# Altium PCB AMC_Single_Panel.PcbDoc (part 5 of 5)
Units mm, origin at the board's own origin, x right, y up, seen from the top; angles counter-clockwise.
Board outline 67.1 x 200.1 mm, 4 copper layers (TOP, GND, PWR, BTM), stack 1.618 mm thick; 416 components, 275 nets, 1519 pads, 733 vias.
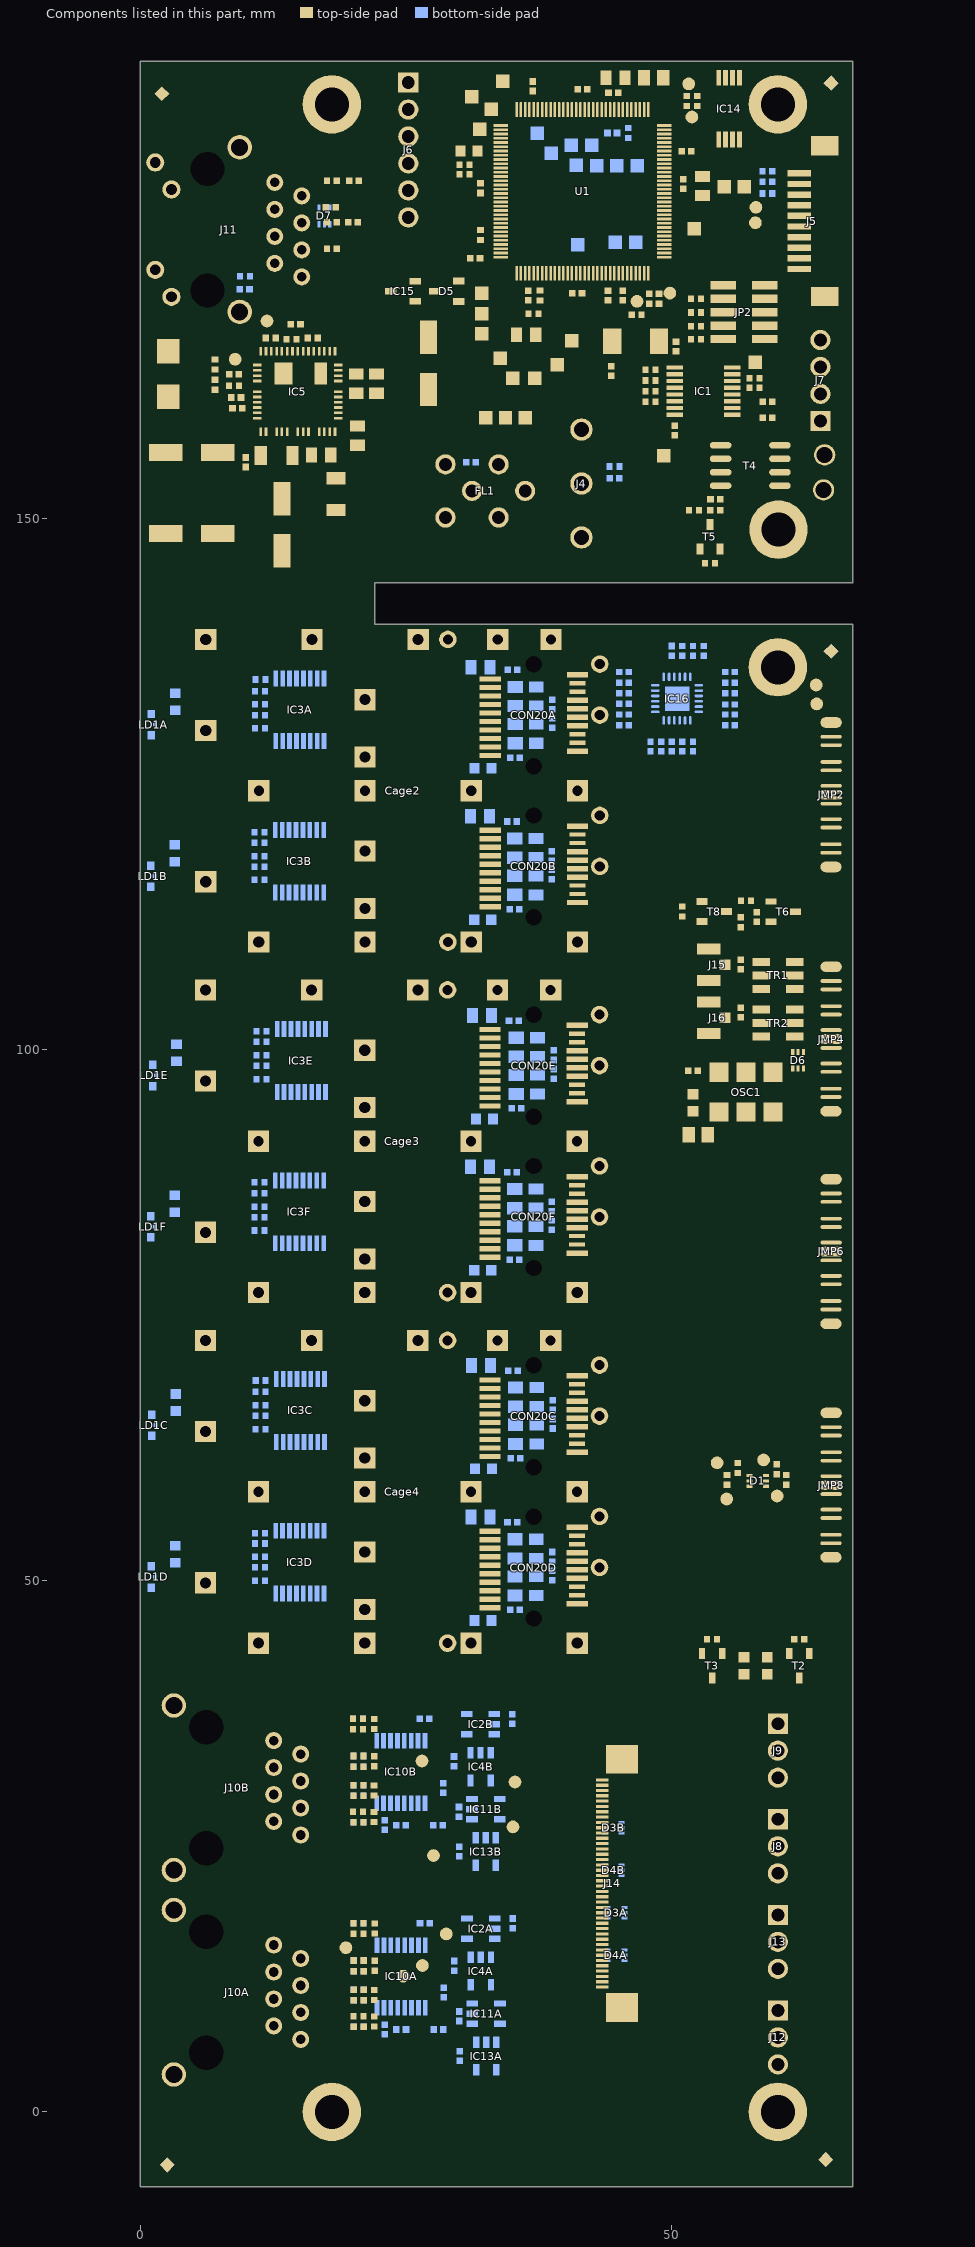
[diagram p7: the components of this part, seen from the top]

## Silkscreen, mask and mechanical layers (free items; w line width, h text height) (continued)
OUTLINE:
  lines w0.1: 67.001,174 67.001,193.001 67,193 ; 67,193 0,193 0,144 0,140 0,-6.95 0,-7 66.999,-7 67,-6.999 67,140 22,140 22,144 66.999,144 66.999,193

## Text inside footprints (layer, text, board x,y; h text height)
Cage2: Drill Drawing "TECHNOLOGY" at 9.825,117.375 h1; Drill Drawing "12x diam. 0.95mm +/-0.05" at 7.625,121.575 h1; Drill Drawing "13x diam. 1.05mm +/-0.05" at 7.825,115.675 h1; Drill Drawing "PRESS-FIT" at 10.625,119.275 h1; Mechanical 8 "Component and Trace Keep-Out / Except Cage Chassis Ground" at 5.425,110.875 h1 r90; Mechanical 8 "20" at 38.825,121.738 h1 r270; Mechanical 8 "11" at 38.825,114.35 h1 r270; Mechanical 8 "10" at 34.225,114.05 h1 r270; Mechanical 8 "1" at 34.225,120.9 h1 r270; Mechanical 8 "20" at 38.825,135.988 h1 r270; Mechanical 8 "11" at 38.825,128.6 h1 r270; Mechanical 8 "10" at 34.225,128.3 h1 r270; Mechanical 8 "1" at 34.225,135.15 h1 r270
Cage3: Drill Drawing "PRESS-FIT" at 10.6,86.275 h1; Drill Drawing "13x diam. 1.05mm +/-0.05" at 7.8,82.675 h1; Drill Drawing "12x diam. 0.95mm +/-0.05" at 7.6,88.575 h1; Drill Drawing "TECHNOLOGY" at 9.8,84.375 h1; Mechanical 8 "Component and Trace Keep-Out / Except Cage Chassis Ground" at 5.4,77.875 h1 r90; Mechanical 8 "1" at 34.2,102.15 h1 r270; Mechanical 8 "10" at 34.2,95.3 h1 r270; Mechanical 8 "11" at 38.8,95.6 h1 r270; Mechanical 8 "20" at 38.8,102.988 h1 r270; Mechanical 8 "1" at 34.2,87.9 h1 r270; Mechanical 8 "10" at 34.2,81.05 h1 r270; Mechanical 8 "11" at 38.8,81.35 h1 r270; Mechanical 8 "20" at 38.8,88.738 h1 r270
Cage4: Drill Drawing "TECHNOLOGY" at 9.8,51.375 h1; Drill Drawing "12x diam. 0.95mm +/-0.05" at 7.6,55.575 h1; Drill Drawing "13x diam. 1.05mm +/-0.05" at 7.8,49.675 h1; Drill Drawing "PRESS-FIT" at 10.6,53.275 h1; Mechanical 8 "Component and Trace Keep-Out / Except Cage Chassis Ground" at 5.4,44.875 h1 r90; Mechanical 8 "20" at 38.8,55.738 h1 r270; Mechanical 8 "11" at 38.8,48.35 h1 r270; Mechanical 8 "10" at 34.2,48.05 h1 r270; Mechanical 8 "1" at 34.2,54.9 h1 r270; Mechanical 8 "20" at 38.8,69.988 h1 r270; Mechanical 8 "11" at 38.8,62.6 h1 r270; Mechanical 8 "10" at 34.2,62.3 h1 r270; Mechanical 8 "1" at 34.2,69.15 h1 r270
FL1: Top Overlay "B" at 33.4,156.5 h1.2; Top Overlay "CB" at 32.7,147.5 h1.2; Top Overlay "CG" at 27.7,147.5 h1.2; Top Overlay "PSG" at 27.2,156.5 h1.2; Top Overlay "CG" at 32.6,152 h1.2
J4: Top Overlay "1" at 42.985,158.49 h1.2 r270; Top Overlay "3" at 42.985,148.605 h1.2 r270; Mechanical 14 "1" at 42.985,158.49 h1.2 r270; Mechanical 14 "3" at 42.985,148.605 h1.2 r270
J5: Top Overlay "10" at 65,183 h1 r180; Top Overlay "1" at 63.9,174 h1 r180
J6: Top Overlay "1" at 26.595,191.27 h1 r270; Mechanical 14 "1" at 26.595,191.27 h1 r270
J7: Top Overlay "1" at 62.605,158.98 h1 r90; Mechanical 14 "1" at 62.605,158.98 h1 r90
J8: Top Overlay "1" at 61.193,29.112 h1 r270; Mechanical 14 "1" at 61.193,29.112 h1 r270
J9: Top Overlay "1" at 61.193,38.112 h1 r270; Mechanical 14 "1" at 61.193,38.112 h1 r270
J10A: Top Overlay "1" at 13.2,17.29 h1.2 r90; Mechanical 14 "1" at 13.2,17.29 h1.2 r90
J10B: Top Overlay "1" at 13.2,36.54 h1.2 r90; Mechanical 14 "1" at 13.2,36.54 h1.2 r90
J12: Top Overlay "1" at 61.193,11.112 h1 r270; Mechanical 14 "1" at 61.193,11.112 h1 r270
J13: Top Overlay "1" at 61.193,20.112 h1 r270; Mechanical 14 "1" at 61.193,20.112 h1 r270
J14: Top Overlay "40" at 43.37,31.73 h0.89 r90; Top Overlay "1" at 43.37,10.9 h0.89 r90
JMP2: Top Overlay "1" at 63,117 h1.52 r90
JMP4: Top Overlay "1" at 63,94 h1.52 r90
JMP6: Top Overlay "1" at 63,74 h1.52 r90
JMP8: Top Overlay "1" at 63,52 h1.52 r90